# Allegro board 20210324_notecarrier-m2-al_v20.brd (continued)
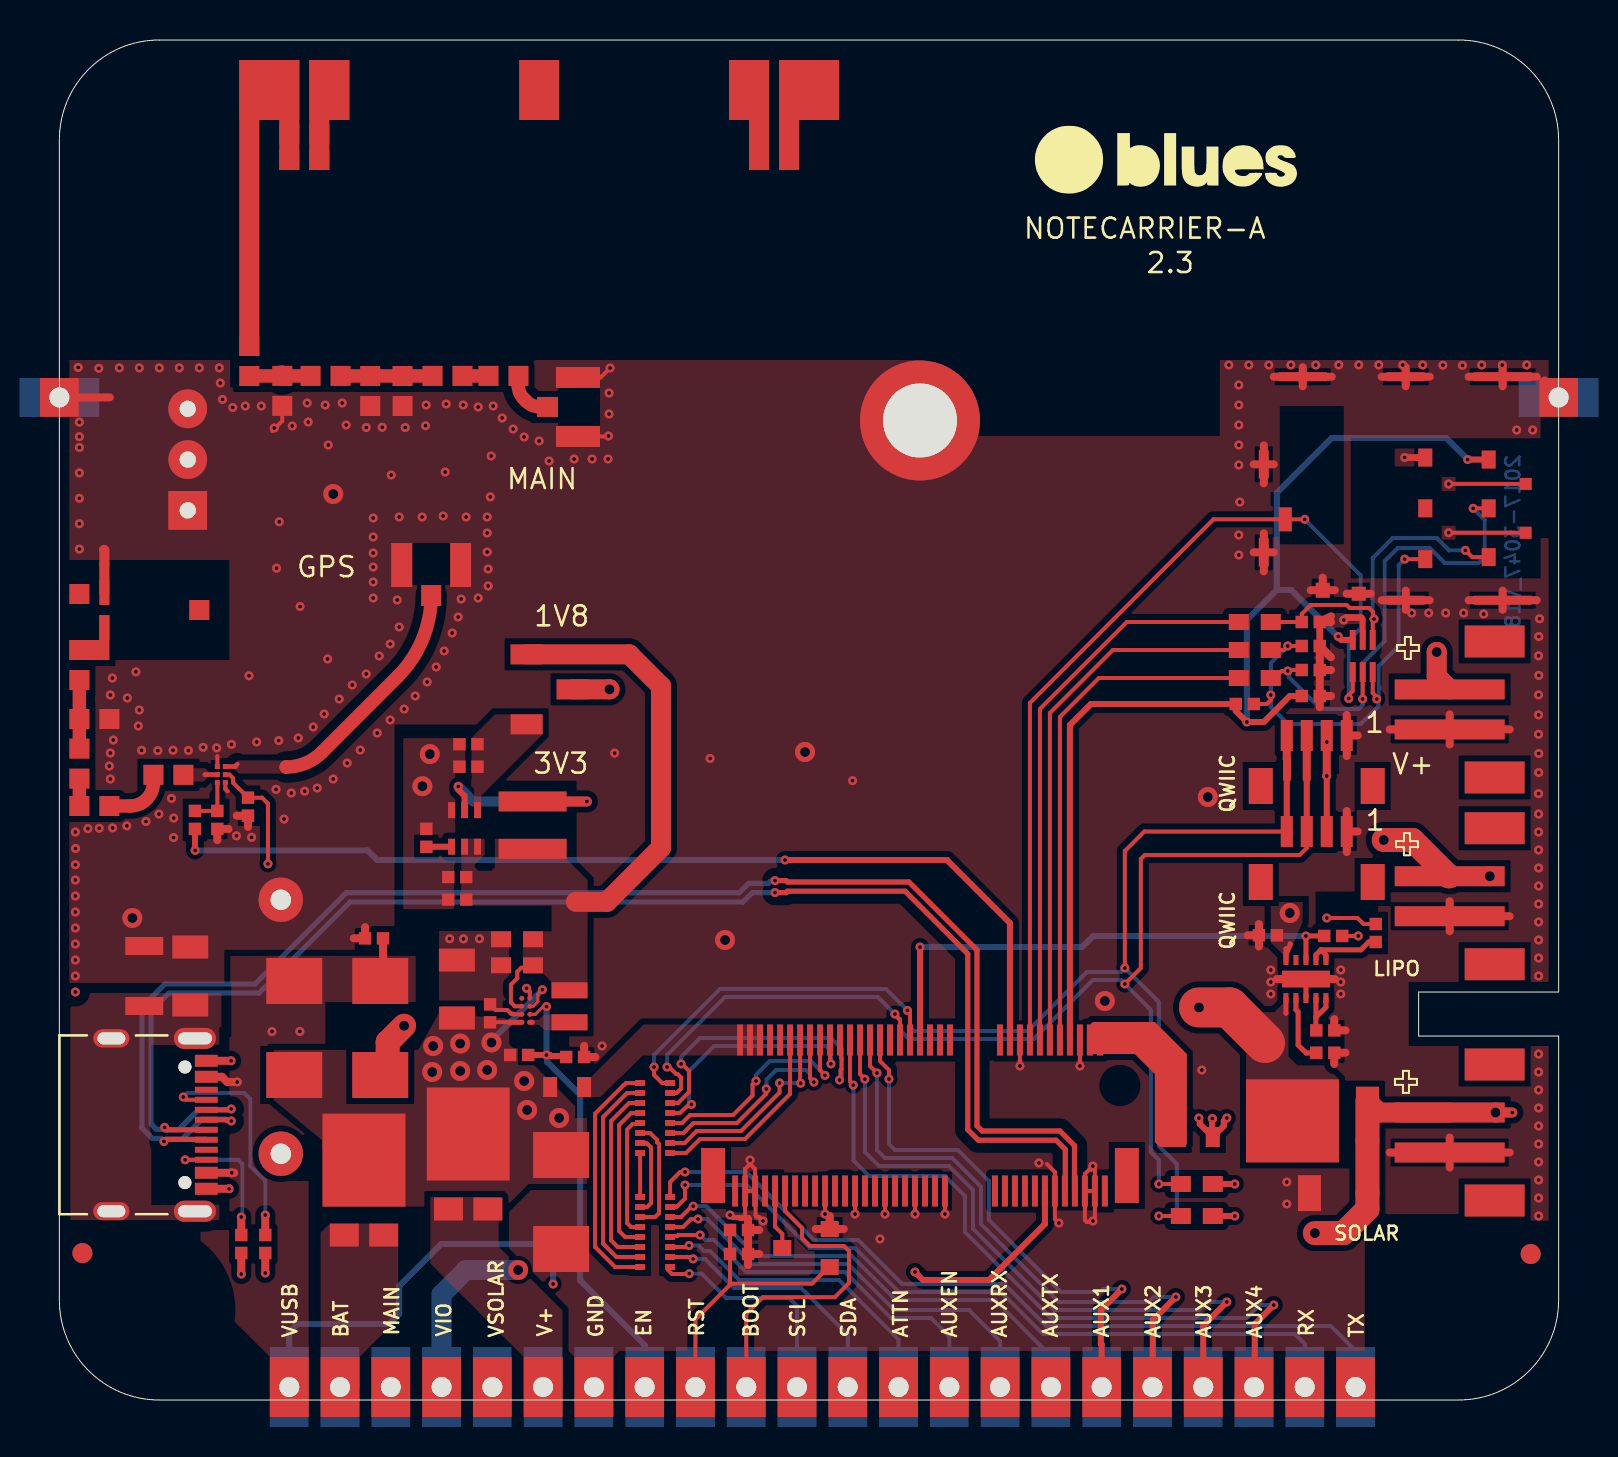
[diagram p0: board, top side]
## Library data of the parts
ANT1 = ANT - NN03-310 - LTE-GNSS-BL
ANT2 = ANT - NN03-320 - GPS-GLONASS-BT
BAT1 = PORTA BATTERIA 3xAA - 2464: room: 3xAA BATTERY
C1 = CS-C-1206-47u/16V-X5R: room: DC-DC 1V8
C2 = CS-C-0402-4.7u/6V3-X5R: room: DC-DC 1V8
C3 C4 = CS-C-0603-10u/10V-X5R: room: DC-DC 1V8
C5 = CS-C-0402-100n/16V: room: DC-DC 1V8
C6 C9 = CS-C-0402-100n/16V: room: DC-DC 3V3
C7 C8 = CS-C-0402-10u/6V3-X5R: room: DC-DC 3V3
C10 = CS-C-0402-100n/16V: room: USB
C11 = CS-C-1206-10n/1kV: room: USB
C12 = CS-C-1206-10u/25V-X5R: room: SOLAR BATTERY CHARGER
C13 = CS-C-0402-1u/16-X5R: room: SOLAR BATTERY CHARGER
C16 = CS-C-0402-100n/16V: room: NANO-SIM
C17-C19 = CS-C-0402-33p/50V-C0G: room: NANO-SIM
C21 = CS-C-0402-1n/50V
C22 = CS-C-0402-1u/16-X5R: room: GPS ANTENNA
C23 = CS-C-0402-100n/16V: room: M2 CONNECTOR
C25 = CS-C-0603-0.5p/50V-C0G
C26 = CS-C-0603-1p/50V-C0G
C27 = CS-C-0603-2.2p/50V-C0G
C28 = CS-C-0402-4.6p/50V-C0G
C29 = CS-C-0402-1.1p/50V-C0G
DS2 DS3 = SCHOTTKY - FSV1045V - 10A/45V: room: INPUT
DS4 = SCHOTTKY-STPS3H100U - 3A/100V: room: USB
DS5 = SCHOTTKY-STPS3H100U - 3A/100V: room: SOLAR BATTERY CHARGER
DS6 = SCHOTTKY - FSV1045V - 10A/45V: room: SOLAR BATTERY CHARGER
F1 = RAPIDO - SF-0603F150-2-1.5A/32V: room: M2 CONNECTOR
F2 = RAPIDO - 0603SFV350F- 3.5A/32V: room: M2 CONNECTOR
FID1-FID4 = FIDUCIAL
J3 J4 J12 = PH - J-2-0200-MDS-B2B-PH-SM4: room: SOLAR BATTERY CHARGER
J5 = NANOSIM - J-NANOSIM-SF72S006VBA: room: NANO-SIM
J6 = AMPHENOL-75 - M-2 KEY E_13: room: M2 CONNECTOR
J7 = UFL - U-FL-R-SMT-1-10: room: LTE ANTENNA
J8 = UFL - U-FL-R-SMT-1-10: room: GPS ANTENNA
J9 = STRIP-J-22-0254-FDT-H0508
J10 = STRIP-J-3-0254-FDT-H0508
J11 = USB-C - 12402012E212A
J13 J14 = SH - J-4-0100-MDS-SH-BM04B
L1 = PW-XFL4020-222ME - 2.2u/3.1A: room: DC-DC 3V3
L2 = L - 1285AS-H-2R2M=P2-2.2u/1.5A: room: DC-DC 1V8
L5 = L - LQW15AN7N5H00D - 7.5n/0.57A
L6 = L - LQW18AN12NG80D - 12n/1.5A
L7 = L - LQW18AN10NG80D - 10n/1.6A
L8 = L - LQW18AN8N4G80D - 8.4n/1.6A
L9 = L - LQW15AN2N3G80D - 2.3n/2.53A
OBJ1 = DISTANZIALE - M2.5x0250
PAD1 PAD2 = CASTELLATED PAD - 0100
Q1 = NMOS - AO3420 - 6A/20V: room: M2 CONNECTOR
R1 = RS-0402-10M/5%
R4 = RS-0402-82k: room: DC-DC 3V3
R5 = RS-1206-1M: room: USB
R6 R8 R10 = RS-0402-10k: room: SOLAR BATTERY CHARGER
R9 = RS-0402-470r: room: SOLAR BATTERY CHARGER
R12 R14 R15 = RS-0603-22r: room: NANO-SIM
R16 = RS-0402-15k: room: NANO-SIM
R18 = RS-0402-200k
R21 = RS-0402-1k: room: M2 CONNECTOR
R22 = RS-0402-100k: room: GPS ANTENNA
R25 R27-R29 = RS-0603-0r
R26 R30 R31 = RS-0603
R32 R33 = RS-0402-5.1k
RR1 RR2 = RR-8X-1506-100r/5%: room: M2 CONNECTOR
SW1 = SW-SPDT - CJS-1200TA: room: POWER SWITCH
TVS1 = TVS-UNI - SM6T6V8A - 6.8V/600W: room: INPUT
TVS2 = TVS-UNI5x - ESDLC5V0M5-TP - 5V: room: NANO-SIM
U1 = BUCK - TPS62748YFPT - 0.3A/ADJ: room: DC-DC 1V8
U2 = BOOST -  MAX17225ELT - 0.5A/ADJ: room: DC-DC 3V3
U3 = BAT-CHARGE - BQ24210DQCT: room: SOLAR BATTERY CHARGER
U5 = LNA-RF - BGA725L6E6327FTSA1: room: GPS ANTENNA

## Footprints (pads in the part's own frame, mm; a bottom-side part is the same pattern mirrored in y, then rotated)
AMPHENOL_12402012E212A
  round 0.65 hole 0.65 unplated: (-2.89,3.68) (2.89,3.68)
  rect 0.6x1.14 smd: A1_B12(-3.2,4.75) A4_B9(-2.4,4.75) B1_A12(3.2,4.75) B4_A9(2.4,4.75)
  rect 0.3x1.14 smd: A5(-1.25,4.75) A6(-0.25,4.75) A7(0.25,4.75) A8(1.25,4.75) B5(1.75,4.75) B6(0.75,4.75) B7(-0.75,4.75) B8(-1.75,4.75)
  oval 1.05x2.1 hole 0.6x1.7: S1(-4.32,4.18) S2(4.32,4.18)
  oval 0.9x1.8 hole 0.6x1.4: S3(-4.32,0) S4(4.32,0)
ANT-NN03310-LTE
  rect 1x3 smd: 1(-14.5,0) 2(-12.5,0) 6(12.5,0) 7(14.5,0)
  rect 2x3 smd: 3(-10.5,0) 4(0,0) 5(10.5,0)
ANT-NN03320-GPS
  rect 1x1 smd: 1(0,-3) 3(0.8,3)
  rect 1.25x0.5 smd: 2(0.875,1.75) 4(-0.875,1.75)
BATHLD-2464-NO_MECH
  round 2.22 hole 1.02: 1(26.405,-14.925) 2(26.405,-2.225)
CS-C-0402
  rect 0.62x0.62 smd: 1(-0.45,0) 2(0.45,0)
CS-C-0603
  rect 1x0.8 smd: 1(-0.8,0) 2(0.8,0)
CS-C-1206
  rect 1.15x1.8 smd: 1(-1.5,0) 2(1.4,0)
DIST-WASMSIM0250
  round 6 hole 3.7: 1(0,0)
FIDUCIAL
  round 1 smd: 1(0,0)
FRACTUS-0404
  rect 1x1 smd: 1(-0.75,0) 2(0.75,0)
FS-0603
  rect 0.7x1 smd: 1(-0.85,0) 2(0.85,0)
J-2-0200-MDS-B2B-PH-SM4
  rect 1.6x3 smd: (-5.4,2.25) (1.4,2.25)
  rect 1x5.5 smd: 1(-3,0) 2(-1,0)
J-3-0254-FDT-H0508
  rect 1.94x1.94 hole 0.81: 1(-2.54,0)
  round 1.94 hole 0.81: 2(0,0) 3(2.54,0)
J-3-MDS-UFL
  rect 1x1.05 smd: 1(0,-1.525)
  rect 1.05x2.2 smd: 2(-1.475,0) 3(1.475,0)
J-4-0100-MDS-SH
  rect 1.2x1.8 smd: (-1.3,2.525) (4.3,2.525)
  rect 0.6x1.55 smd: 1(0,0) 2(1,0) 3(2,0) 4(3,0)
J-22-0254-FDT-H0508_EDGE
  rect 1.94x3 hole 1: 1(-26.67,-0.65) 2(-24.13,-0.65) 3(-21.59,-0.65) 4(-19.05,-0.65) 5(-16.51,-0.65) 6(-13.97,-0.65) 7(-11.43,-0.65) 8(-8.89,-0.65) 9(-6.35,-0.65) 10(-3.81,-0.65) 11(-1.27,-0.65) 12(1.27,-0.65) 13(3.81,-0.65) 14(6.35,-0.65) 15(8.89,-0.65) 16(11.43,-0.65) 17(13.97,-0.65) 18(16.51,-0.65) 19(19.05,-0.65) 20(21.59,-0.65) 21(24.13,-0.65) 22(26.67,-0.65)
J-75-0050-MOS-M2-E
  rect 1.2x2.75 smd: (-10.35,4.5) (10.35,4.5)
  round 0 hole 1.1 unplated: (-10,0)
  round 0 hole 1.6 unplated: (10,0)
  rect 0.3x1.55 smd: 1(-9.25,5.275) 2(-9,-2.275) 3(-8.75,5.275) 4(-8.5,-2.275) 5(-8.25,5.275) 6(-8,-2.275) 7(-7.75,5.275) 8(-7.5,-2.275) 9(-7.25,5.275) 10(-7,-2.275) 11(-6.75,5.275) 12(-6.5,-2.275) 13(-6.25,5.275) 14(-6,-2.275) 15(-5.75,5.275) 16(-5.5,-2.275) 17(-5.25,5.275) 18(-5,-2.275) 19(-4.75,5.275) 20(-4.5,-2.275) 21(-4.25,5.275) 22(-4,-2.275) 23(-3.75,5.275) 32(-1.5,-2.275) 33(-1.25,5.275) 34(-1,-2.275) 35(-0.75,5.275) 36(-0.5,-2.275) 37(-0.25,5.275) 38(0,-2.275) 39(0.25,5.275) 40(0.5,-2.275) 41(0.75,5.275) 42(1,-2.275) 43(1.25,5.275) 44(1.5,-2.275) 45(1.75,5.275) 46(2,-2.275) 47(2.25,5.275) 48(2.5,-2.275) 49(2.75,5.275) 50(3,-2.275) 51(3.25,5.275) 52(3.5,-2.275) 53(3.75,5.275) 54(4,-2.275) 55(4.25,5.275) 56(4.5,-2.275) 57(4.75,5.275) 58(5,-2.275) 59(5.25,5.275) 60(5.5,-2.275) 61(5.75,5.275) 62(6,-2.275) 63(6.25,5.275) 64(6.5,-2.275) 65(6.75,5.275) 66(7,-2.275) 67(7.25,5.275) 68(7.5,-2.275) 69(7.75,5.275) 70(8,-2.275) 71(8.25,5.275) 72(8.5,-2.275) 73(8.75,5.275) 74(9,-2.275) 75(9.25,5.275)
J-NANOSIM-SF72S006VBA
  rect 0.9x0.7 smd: 1(2.99,-10.175) 2(0.55,-10.175) 3(-1.89,-10.175) 5(3.09,-7.005) 6(0.55,-7.005) 7(-1.99,-7.005)
  rect 0.45x2.9 smd: 8(-4.045,-10.875) 17(7.13,-10.875)
  rect 0.45x1.9 smd: 9(-4.045,-6.025) 16(7.13,-6.025)
  rect 0.7x0.7 smd: 10(-3.72,-3.675)
  rect 0.75x0.7 smd: 11(-3.545,-1.875)
  rect 1.4x0.5 smd: 12(-1.65,1.075) 14(2.75,1.075)
  rect 1.2x0.65 smd: 13(0,0)
  rect 0.45x2.4 smd: 15(7.13,-0.875)
  rect 0.6x0.6 smd: 18(1.77,-12.025) 19(-0.67,-12.025)
LS-0806
  rect 0.8x1.8 smd: 1(-0.8,0) 2(0.8,0)
LS-XFL4020
  rect 1x3.4 smd: 1(-1.185,0) 2(1.185,0)
PAD-THT-CAS-0100
  rect 1.94x1.94 hole 1: 1(0,0)
RR-8X-1506
  rect 0.3x0.5 smd: 1(-1.75,-0.75) 2(-1.25,-0.75) 3(-0.75,-0.75) 4(-0.25,-0.75) 5(0.25,-0.75) 6(0.75,-0.75) 7(1.25,-0.75) 8(1.75,-0.75) 9(1.75,0.75) 10(1.25,0.75) 11(0.75,0.75) 12(0.25,0.75) 13(-0.25,0.75) 14(-0.75,0.75) 15(-1.25,0.75) 16(-1.75,0.75)
RS-0402
  rect 0.62x0.62 smd: 1(-0.45,0) 2(0.45,0)
RS-0603
  rect 1x0.8 smd: 1(-0.8,0) 2(0.8,0)
RS-1206
  rect 0.9x1.9 smd: 1(-1.5,0) 2(1.5,0)
SMB
  rect 2.3x2.8 smd: 1(0,0) 2(4.7,0)
SOT23
  rect 0.9x0.8 smd: 1(0,0) 2(0,1.9) 3(-2.37,0.95)
SOT666
  rect 0.3x0.99 smd: 1(-0.5,-0.805) 2(0,-0.805) 3(0.5,-0.805) 4(0.5,0.805) 5(0,0.805) 6(-0.5,0.805)
SW-CJS1200TA
  rect 1x1.6 smd: 1(-1.75,-1.15) 2(0,1.15) 3(1.75,-1.15)
TO277-3
  rect 1.45x1.15 smd: 1(0.985,-2.75) 2(-0.985,-2.75)
  rect 4.15x4.65 smd: 3(0,1)
unnamed#2
  round 0 hole 3.3 unplated: (0,0)
WDFN6-0200X0200
  rect 0.8x0.35 smd: 1(-0.915,0.65) 2(-0.915,0) 3(-0.915,-0.65) 4(0.915,-0.65) 5(0.915,0) 6(0.915,0.65)
WSON10-EXP
  rect 0.5x0.25 smd: 1(-0.95,1) 2(-0.95,0.5) 3(-0.95,0) 4(-0.95,-0.5) 5(-0.95,-1) 6(0.95,-1) 7(0.95,-0.5) 8(0.95,0) 9(0.95,0.5) 10(0.95,1)
  rect 0.84x2.4 smd: 11(0,0)
XFBGA8
  round 0.25 smd: A1(0.2,-0.6) A2(-0.2,-0.6) B1(0.2,-0.2) B2(-0.2,-0.2) C1(0.2,0.2) C2(-0.2,0.2) D1(0.2,0.6) D2(-0.2,0.6)
XFDFN6
  rect 0.25x0.25 smd: 1(0.4,0.2) 2(0,0.2) 3(-0.4,0.2) 4(-0.4,-0.2) 5(0,-0.2) 6(0.4,-0.2)

## Nets
+1V8: C3.1 C4.1 C8.1 C9.1 L1.2 L2.2 SW1.1 U1.C2 U2.5 U2.6
+3V3: C6.1 C7.1 SW1.3 U2.1
GND: ANT2.2(M2) BAT1.2(-) C1.2 C2.2 C3.2 C4.2 C5.2 C6.2 C7.2 C8.2 C9.2 C10.2 C11.2 C12.2 C13.2 C16.2 C17.2 C18.2 C19.2 C22.2 C23.2 C26.2 C28.2 J3.2 J4.2 J5.5 J5.8 J5.9 J5.10 J5.11 J5.12 J5.14 J5.15 J5.16 J5.17 J5.18 J5.19 J6.3 J6.5 J6.6 J6.11 J6.18 J6.33 J6.39 J6.45 J6.51 J6.57 J6.71 J6.73 J7.2 J7.3 J8.2 J8.3 J9.7 J10.1 J10.2 J10.3 J11.A1_B12 J11.B1_A12 J12.2 J13.1 J14.1 L7.2 L8.2 OBJ1.1 PAD1.1 PAD2.1 Q1.2(S) R4.1 R5.2 R9.1 R10.1 R21.1 R22.1 R32.2 R33.2 TVS1.2 TVS2.2 U1.B2 U1.D1 U2.3 U3.3 U3.11 U5.1 U5.4
VBAT: BAT1.1 C13.1 DS3.1 DS3.2 J4.1 J9.2 R8.2 U3.10
ATTN: J9.13 RR1.3
ATTN_P: J6.54 RR2.14
AUX1: J6.46 J9.17
AUX2: J6.48 J9.18
AUX3: J6.50 J9.19
AUX4: J6.52 J9.20
AUX5: J6.38 R6.1 U3.8
AUX_EN: J9.14 RR1.4
AUX_EN_P: J6.56 RR2.13
AUX_RX: J9.15 RR1.5
AUX_RX_P: J6.58 RR2.12
AUX_TX: J9.16 RR1.6
AUX_TX_P: J6.60 RR2.11
BOOT: J6.65 J9.10
EN: C5.1 J9.8 R1.1 U1.B1
GPS_50: J8.1 U5.3
GPS_50_A: L5.1(C) U5.5
GPS_50_B: C21.1 L5.2
GPS_50_C: C21.2 R29.1
GPS_50_D: C28.1 C29.1 R29.2
GPS_50_E: ANT2.4 C29.2
LTE_50: J7.1 R28.1
LTE_50_A: R27.1 R28.2
LTE_50_B: C26.1 C27.2 L7.1(C) R27.2
LTE_50_C: C27.1 L8.1(C) L9.1(C)
LTE_50_D: ANT1.1 L9.2
NRST: J6.67 Q1.3
RST: C23.1 J9.9 Q1.1 R21.2
RX: J9.21 RR1.7
RX_P: J6.62 RR2.10
SCL: J9.11 RR1.1
SCL_P: J6.40 J13.4 J14.4 R31.1 RR2.16
SDA: J9.12 RR1.2
SDA_P: J6.42 J13.3 J14.3 R30.1 RR2.15
SIM_CLK: J6.14 R14.1
SIM_IO: J6.12 R12.1
SIM_NPRESENT: J5.13 J6.16 TVS2.4
SIM_RST: J6.10 R15.1
SIM_VCC: C16.1 J5.1 J6.8 R16.2 TVS2.3
TX: J9.22 RR1.8
TX_P: J6.64 RR2.9
USB_DM: J6.9 J11.A7 J11.B7
USB_DP: J6.7 J11.A6 J11.B6
USB_SHIELD: C11.1 J11.S1 J11.S2 J11.S3 J11.S4 R5.1
V+: DS2.1 DS2.2 J9.6 J12.1
VACT_GPS_OUT: J6.20 R18.2
VIO: C22.1 F1.1 J9.4 J13.2 J14.2 R6.2 R30.2 R31.2 SW1.2 U5.2(VCC)
VIO_P: F1.2 J6.2 J6.4
VMAIN: C1.1 C2.1 DS2.3(C) DS3.3(C) DS4.1(C) F2.1 J9.3 R1.2 TVS1.1(C) U1.A2 U1.C1(VSEL)
VMODEM_P: F2.2 J6.70 J6.72 J6.74
VSOLAR: C12.1 DS6.1 DS6.2 J3.1 J9.5
VUSB: C10.1 DS4.2 DS5.2 J6.13(VUSB) J9.1 J11.A4_B9 J11.B4_A9(VBUS#B4_A9)
N16816781: R18.1 R22.2 U5.6
N16924472: RR1.16 RR2.1
N16924474: RR1.15 RR2.2
N16924476: RR1.14 RR2.3
N16924478: RR1.13 RR2.4
N16924480: RR1.12 RR2.5
N16924482: RR1.11 RR2.6
N16924484: RR1.10 RR2.7
N16924486: RR1.9 RR2.8
N17096523: C19.1 J5.7 R12.2 R16.1 TVS2.6(C6)
N17096527: C17.1 J5.2 R15.2 TVS2.5
N17096550: C18.1 J5.3 R14.2 TVS2.1
N17180171: L1.1 U2.2
N17180221: L2.1(C) U1.A1
N17180308: R4.2 U2.4(SEL)
N17224639: DS5.1(C) DS6.3(C) U3.1
N17224757: R9.2 U3.2
N17224773: R10.2 U3.4(VTSB) U3.5
N17224777: R8.1 U3.6 U3.7
N17281739: ANT1.2 C25.2 L6.1(C)
N17281748: ANT1.3 C25.1 L6.2
N17281883: ANT1.5 R25.1 R26.1
N17281892: ANT1.6 R25.2 R26.2
N17321884: J11.A5 R33.1
N17321887: J11.B5 R32.1

Pads without a net: ANT1 4 7; ANT2 1 3; FID1 1; FID2 1; FID3 1; FID4 1; J5 6; J6 1 15 17 19 21 22 23 32 34 35 36 37 41 43 44 47 49 53 55 59 61 63 66 68 69 75; J11 A8 B8; U1 D2; U3 9

## Via types
v1: diameter 0.45, hole 0.2, TOP to BOTTOM, 327 vias
v2: diameter 1, hole 0.5, TOP to BOTTOM, 27 vias

## Routing (per net, layer and track width the routed paths; a pad name or vN(x,y) marks a point on that pad's centre or on a via; arc(x,y) is an arc through that point)
+1V8: length 24
  TOP w0.2: C3.1 23.57,21.61 23.11,21.61 22.91,21.41 22.91,21.08 22.59,20.77 22.59,19.88 22.78,19.69 U1.C2
  TOP w1: 25.84,24.91 27.39,24.91 30.09,27.61 30.09,35.7 28.51,37.28 SW1.1
GND: length 153.7
  TOP w0.2: v1(23.37,20.59) 23.53,20.42 U1.D1 ; 51.65,9.05 51.7,9 v1(51.7,8.95) ; 7.9,32.2 U5.4 ; C2.2 21.83,19.5 22.4,19.5 22.59,19.32 22.68,19.32 22.72,19.29 U1.B2 ; J6.5 51.3,11.3 51.53,11.53 51.63,11.53 51.7,11.6 v1(51.7,11.7) 51.8,11.6 J6.3 ; J6.5 51.3,9 51.4,8.9 51.8,8.9 J6.3 ; J6.5 J6.3 ; v1(50,8.85) 49.8,9.05 J6.11 49.8,11.4 49.4,11.8 ; 34.3,9.15 33.65,9.15 ; 33.65,9.15 v1(33.55,9.25) ; 33.65,9.15 33.69,9.11 33.98,9.11 34.04,9.05 34.45,9.05 34.3,9.2 J6.73 ; J5.18 69.5,45.8 v1(69.5,45.8) 69.65,45.8 ; J6.6 v1(51.05,16.7) ; 10.65,48.45 11.15,48.95 L8.2 ; J7.3 27.38,48.18 27.4,48.2 v1(27.47,48.2) ; J6.39 v1(42.8,9.3) ; J6.57 v1(38.3,9.3) ; J6.71 34.8,11.55 34.55,11.8 ; J6.71 34.83,10.43 34.83,9.23 34.91,9.15 35,9.15 v1(35.2,8.95) ; J6.71 J6.73 ; J7.2 27.08,51.13 v1(27.55,51.6) ; J6.51 v1(39.8,9.3) ; J6.33 v1(44.3,9.3) ; J6.18 v1(48.05,16.7) ; J6.73 34.3,11.55 34.55,11.8 ; 34.55,11.8 v1(34.55,12) ; J6.45 v1(41.3,9.3) ; U5.1 8.3,30.55 8.42,30.43 ; v1(69.5,43.36) J5.19
  TOP w0.25: U3.3 U3.11
  TOP w0.28: TVS2.2 65.2,39.04 65.12,39.12
  TOP w0.34: v1(64.25,39) 64.37,39.12 65.12,39.12 ; C18.2 C19.2 ; J5.5 v1(67.3,47.12)
  TOP w0.4: 60.01,22.67 C13.2 ; C13.2 59.45,23.24 ; C13.2 60.01,23.8 ; 64.34,18.48 R10.1 63.78,19.04 ; 69.55,32.78 J12.2 ; J12.2 69.55,34.28 ; J12.2 72.55,33.53 ; J12.2 66.55,33.53 ; J5.15 63.65,51.16 ; J5.15 60.75,51.16 ; J5.15 62.2,51.64 ; J5.15 62.2,50.69 ; 69.55,23.44 J4.2 ; J4.2 72.55,24.19 ; J4.2 69.55,24.94 ; 70.5,39.99 J5.8 ; J5.8 72.2,40.47 ; J5.8 72.2,39.51 ; J5.8 73.9,39.99 ; 37.83,8.55 Q1.2 ; Q1.2 38.53,9.2 ; Q1.2 39.24,8.55 ; C17.2 63.05,37.06 ; C17.2 63.05,35.94 ; C17.2 63.61,36.5 ; 65.6,40.31 J5.10 64.4,40.31 ; C16.2 63.05,35.76 ; C16.2 63.05,34.64 ; C16.2 63.61,35.2 ; J5.14 60.75,46.78 ; J5.14 60.25,47.74 ; J5.14 59.75,46.78 ; J5.14 60.25,45.83 ; C23.2 35.01,8.5 ; C23.2 34.45,9.06 ; C23.2 34.45,7.94 ; R33.2 v1(10.3,6.35) ; J3.2 69.55,13.13 ; J3.2 72.55,12.37 ; J3.2 66.55,12.37 ; J3.2 69.55,11.62 ; J5.16 67.35,51.64 ; J5.16 67.35,50.69 ; J5.16 68.55,51.16 ; J5.16 66.15,51.16 ; J5.17 72.2,51.64 ; J5.17 72.2,50.69 ; J5.17 73.9,51.16 ; J5.17 70.5,51.16 ; 63.78,16.8 R9.1 64.34,17.36 ; 15.29,23.64 C10.2 14.73,23.08 ; 62.6,40.49 J5.11 ; J5.11 63.8,40.49 ; J5.11 63.2,41.12 ; 59.75,42.38 J5.12 ; J5.12 60.25,41.43 ; J5.12 60.25,43.34 ; J5.12 60.75,42.38 ; J5.9 67.35,40.47 ; J5.9 67.35,39.51 ; J5.9 68.55,39.99 ; J5.9 66.15,39.99 ; R21.1 35.01,7.3 ; R21.1 34.45,7.86 ; R21.1 34.45,6.74 ; 63.61,39.18 C18.2 63.61,38.9 ; PAD1.1 74.69,50.13 74.29,50.53 74.29,50.84 74.3,50.86 74.3,50.98 ; 63.81,21.05 U3.11 60.91,21.05 ; 9.44,28.65 C22.2 8.88,29.21 ; 2.26,41.79 2.25,41.78 ; 2.52,50.13 PAD2.1 ; J13.1 64.95,28.43 ; J13.1 64.4,29.45 ; J13.1 64.4,27.4 ; J14.1 64.95,33.23 ; J14.1 64.4,34.25 ; J14.1 64.4,32.2 ; 26.81,17.15 C5.2 26.25,17.71 ; 63.05,37.14 C19.2 63.61,37.14 ; J11.A1_B12 v1(8.59,16.96) ; 7.9,27.99 R22.1 8.46,28.55 ; R32.2 v1(9.1,6.3) ; J11.B1_A12 v1(8.49,10.56)
  TOP w0.5: 2.23,42.51 2.25,42.49 ANT2.2
  GND w2: v2(37.3,32.4) 43.05,38.15 OBJ1.1
  BOTTOM w0.2: v1(35.2,8.95) 35.06,9.09 34.85,9.09 34.85,9.26 34.8,9.31
  vias: v1(0.8,28.4) v1(0.81,27.58) v1(0.8,26.76) v1(0.8,26) v1(0.8,25.2) v1(0.8,24.4) v1(0.8,23.6) v1(0.8,22.8) v1(0.8,22) v1(0.8,21.2) v1(0.8,20.4) v1(0.94,51.63) v1(1,48.9) v1(1,48.16) v1(1,47.62) v1(1,46.35) v1(1,45.09) v1(1,43.81) v1(1,42.55) v1(1.43,28.57) v1(1.97,51.59) v1(1.99,28.59) v1(2.55,35.25) v1(2.55,32.35) v1(2.5,31.7) v1(2.55,31.05) v1(2.65,36.1) v1(2.7,33) v1(2.66,28.6) v1(3,51.6) v1(3.4,35.1) v1(3.37,28.71) v1(3.83,36.41) v1(4,51.6) v1(4,34.5) v1(3.95,33.7) v1(4.11,32.49) v1(4.33,28.92) v1(4.93,32.47) v1(5,51.6) v1(4.98,29.3) v1(5.61,30.08) v1(5.68,32.49) v1(5.72,29.1) v1(5.71,28.12) v1(6,51.6) v1(6.45,32.48) v1(7,51.6) v1(7.19,32.63) v1(7.87,32.61) v1(8,51.6) v1(8.05,50.85) v1(8.16,50.03) v1(8.61,32.78) v1(8.67,49.63) v1(8.86,28.21) v1(9.3,49.7) v1(9.49,36.21) v1(9.61,28.14) v1(9.87,32.9) v1(10.1,49.7) v1(10.75,48.6) v1(10.84,30.53) v1(10.87,41.59) v1(11,43.91) v1(10.97,32.97) v1(11.24,29.05) v1(11.65,48.7) v1(11.6,30.35) v1(12.04,39.68) v1(11.95,33.1) v1(12.27,30.44) v1(12.4,49.85) v1(12.45,48.9) v1(12.7,33.65) v1(12.9,30.6) v1(13.25,34.3) v1(13.3,49.75) v1(13.42,37.05) v1(13.45,47.75) v1(13.7,31.05) v1(14,35.05) v1(14.15,49.85) v1(14.35,48.75) v1(14.4,31.85) v1(14.65,35.75) v1(15.05,32.5) v1(15.35,48.63) v1(15.35,36.3) v1(15.7,44.1) v1(15.7,43.15) v1(15.7,42.35) v1(15.7,41.65) v1(15.7,40.9) v1(15.7,40.1) v1(15.9,33.35) v1(16,37.2) v1(16.15,48.64) v1(16.55,37.8) v1(16.55,34) v1(16.6,46.25) v1(16.9,40) v1(17,44.15) v1(17,38.65) v1(17.25,34.55) v1(17.3,48.63) v1(17.8,35.2) v1(18.15,44.15) v1(18.32,48.71) v1(18.35,49.75) v1(18.4,35.9) v1(18.85,36.65) v1(19.2,44.2) v1(19.25,37.45) v1(19.3,46.4) v1(19.35,49.8) v1(19.52,23.06) v1(19.65,38.35) v1(19.95,39.15) v1(20.1,40.05) v1(20.2,49.75) v1(20.21,23.06) v1(20.35,44.15) v1(20.95,49.65) v1(20.95,40.1) v1(21.01,23.06) v1(21.4,44.15) v1(21.4,43.35) v1(21.4,42.4) v1(21.45,41.55) v1(21.45,40.7) v1(21.6,47.2) v1(21.56,45.16) v1(21.7,49.7) v1(22.15,49.1) v1(22.7,48.55) v1(23.25,48.15) v1(24,47.95) v1(24.5,46.95) v1(25.75,47.05) v1(26.65,47.05) v1(27.15,17.7) v1(27.5,50.35) v1(27.5,49.3) v1(27.45,47.05) v1(27.78,32.35) v1(32.55,32.08) v1(39.68,30.97) v1(41.05,8.05) v1(49,11.85) v1(57.15,16.5) v1(58.5,51.75) v1(59,50.75) v1(59,49.75) v1(59,48.75) v1(59,47.75) v1(59,46.75) v1(59,43.25) v1(59,42.25) v1(59.05,44.9) v1(59.5,51.75) v1(60.5,51.75) v1(60.6,21.5) v1(60.6,20.9) v1(60.6,20.3) v1(61.4,10.9) v1(61.4,9.8) v1(61.6,51.75) v1(62.85,51.75) v1(64,51.76) v1(64.1,21.5) v1(64.1,20.9) v1(64.1,20.3) v1(65,51.76) v1(66,51.76) v1(67.2,51.75) v1(67.65,39.35) v1(68.2,51.75) v1(68.5,39.35) v1(69.21,51.74) v1(69.35,39.35) v1(70.19,51.73) v1(70.25,39.35) v1(71.15,51.75) v1(71.25,39.3) v1(72.18,51.75) v1(72.9,48.5) v1(73.4,51.75) v1(73.7,48.5) v1(74.05,39.06) v1(74.01,38.17) v1(74,37.21) v1(74.01,36.23) v1(74,35.25) v1(74,34.26) v1(73.99,33.29) v1(74.01,32.32) v1(74.01,31.37) v1(73.99,30.32) v1(74,29.3) v1(74,28.4) v1(74,27.5) v1(74,26.6) v1(74,25.7) v1(74,24.8) v1(74,23.9) v1(74,23) v1(74,22.1) v1(74,21.2) v1(74,17.3) v1(74,16.4) v1(74,15.5) v1(74,14.6) v1(74,13.7) v1(74,12.8) v1(74,11.9) v1(74,11) v1(74,10.1) v1(74,9.2) v2(3.65,24.1) v2(13.7,45.3) v2(18.16,30.69) v2(18.53,32.3) v2(33.3,23) v2(52.3,19.95) v2(57.45,30.15)
VBAT: length 26.7
  TOP w0.2: v1(63.4,24.1) 64.94,24.1 65.24,23.8 R8.2
  TOP w0.25: 61.36,22.55 61.36,22.55 61.36,22.34 ; 61.57,22.81 61.58,22.78 61.39,22.36 61.36,22.34 ; U3.10 61.36,22.34
  TOP w1.2: v2(66.25,28) 67.69,28 69.5,26.19 J4.1
  POWER w1.7: BAT1.1 14.04,9.35 J9.2
  BOTTOM w0.4: v2(66.25,28) 68.1,28 69.91,26.19 v2(71.56,26.19)
  vias: v2(61.55,24.35)
ATTN: length 15.8
  TOP w0.2: v1(31.5,7.72) 31.5,7.75 31.4,7.65 RR1.3
  BOTTOM w0.2: v1(31.5,7.72) 31.98,7.72 32.25,7.45 32.55,7.45 34,6 39,6 41.98,3.02 J9.13
ATTN_P: length 15.5
  TOP w0.2: v1(39.03,16) 39.08,16 39.08,16.48 39.12,16.53 39.12,17.08 39.1,17.1 39.1,17.95 J6.54 ; v1(31.1,16.81) 31.14,16.81 31.5,16.45 31.5,15.4 30.95,14.85 RR2.14
  BOTTOM w0.2: v1(39.03,16) 39.15,16.12 39.15,17.55 38.6,18.1 32.05,18.1 31.1,17.15 v1(31.1,16.81)
AUX1: length 26.7
  TOP w0.2: v1(41.5,16.05) 41.5,16.5 41.05,16.95 J6.46
  TOP w0.3: v1(53.15,5.55) 52.1,4.5 52.1,2.82 52.14,2.78 J9.17
  BOTTOM w0.2: v1(53.15,5.55) 52.23,5.55 52.08,5.4 50.1,5.4 46.5,9 46.5,10.95 44.95,12.5 41.8,12.5 41.5,12.8 v1(41.5,16.05)
AUX2: length 29.9
  TOP w0.2: J6.48 40.55,16.7 v1(40.9,16.35)
  TOP w0.3: v1(55.85,5.15) 54.7,4 54.7,0.67 J9.18
  BOTTOM w0.2: v1(40.9,16.35) 40.9,12.5 41.3,12.1 44.67,12.1 46.1,10.67 46.1,8.8 50,4.9 54.5,4.9 54.75,5.15 v1(55.85,5.15)
AUX3: length 33.1
  TOP w0.2: J6.50 40.05,16.3 40.3,16.05 40.3,16.04 v1(40.29,16.04)
  TOP w0.3: J9.19 57.22,3.72 v1(58.4,4.9)
  BOTTOM w0.2: v1(40.29,16.04) 40.3,16.04 40.3,12.4 41,11.7 44.5,11.7 45.7,10.5 45.7,8.57 49.77,4.5 57,4.5 57.4,4.9 v1(58.4,4.9)
AUX4: length 36.2
  TOP w0.2: J6.52 39.55,15.92 39.73,15.75 39.73,15.74 v1(39.72,15.74)
  TOP w0.3: J9.20 59.8,0.69 59.8,3.8 v1(60.75,4.75)
  BOTTOM w0.2: v1(39.72,15.74) 39.73,15.74 39.73,11.97 40.5,11.2 44.3,11.2 45.3,10.2 45.3,8.4 49.6,4.1 59.4,4.1 60.05,4.75 v1(60.75,4.75)
AUX5: length 26.3
  TOP w0.25: U3.8 62.36,23.16 62.36,23.16 v1(62.36,23.2) 62.36,23.2 R6.1
  TOP w0.3: J6.38 v1(43.05,22.65)
  BOTTOM w0.3: v1(62.36,23.2) 51.72,23.2 51.16,22.65 v1(43.05,22.65)
AUX_EN: length 18.7
  TOP w0.2: 30.45,8.15 RR1.4 30.6,8.2 30.92,8.2 30.97,8.25 v1(32.05,8.25)
  TOP w0.3: 44.52,0.65 J9.14
  BOTTOM w0.2: v1(32.05,8.25) 32.3,8 32.75,8 34.35,6.4 39.3,6.4 41.6,4.1 43.6,4.1 44.52,3.18 J9.14
AUX_EN_P: length 12.8
  TOP w0.2: v1(38.6,16.81) 38.59,16.81 38.59,16.79 38.7,16.79 38.7,16.85 38.55,17 J6.56 ; RR2.13 31.03,14.35 31.48,14.75 31.54,14.75 31.6,14.8 31.6,14.78 v1(31.62,14.78)
  BOTTOM w0.2: v1(31.62,14.78) 31.6,14.78 31.6,14.8 31.5,14.9 31.5,16.45 32.75,17.7 38.35,17.7 38.6,17.45 v1(38.6,16.81)
AUX_RX: length 21.6
  TOP w0.2: v1(31.95,9.05) 31.6,9.05 31.2,8.65 RR1.5 30.45,8.65
  TOP w0.3: 47.06,0.65 J9.15
  BOTTOM w0.2: J9.15 47.06,2.94 45.5,4.5 41.77,4.5 39.47,6.8 34.65,6.8 32.4,9.05 v1(31.95,9.05)
AUX_RX_P: length 11.7
  TOP w0.2: RR2.12 31.15,13.85 31.55,14.25 33.7,14.25 34.67,15.22 34.67,15.78 v1(34.85,15.95) ; v1(38.3,16.23) 38.3,16.23 38.3,16.24 38.3,16.24 38.05,16.49 J6.58
  BOTTOM w0.2: v1(38.3,16.23) 38.3,16.23 38.3,16.24 38.3,16.24 37.59,16.95 35.54,16.95 34.85,16.26 v1(34.85,15.95)
AUX_TX: length 24.1
  TOP w0.2: v1(31.71,9.69) 31.74,9.69 31.69,9.74 31.1,9.15 RR1.6 30.45,9.15
  TOP w0.3: 49.6,0.65 J9.16
  BOTTOM w0.2: J9.16 49.6,2.2 46.8,5 41.83,5 39.63,7.2 34.86,7.2 32.37,9.69 v1(31.71,9.69)
AUX_TX_P: length 11.5
  TOP w0.2: RR2.11 31.22,13.35 31.72,13.85 33.9,13.85 35.36,15.31 v1(35.36,15.55) ; v1(37.74,15.89) 37.75,15.89 37.75,15.9 37.55,16.1 J6.60
  BOTTOM w0.2: v1(37.74,15.89) 37.75,15.89 37.75,15.9 37.55,16.1 37.55,16.3 37.35,16.5 35.85,16.5 35.38,16.02 35.38,15.73 35.36,15.72 v1(35.36,15.55)
BOOT: length 16.4
  TOP w0.2: J6.65 36.3,9.45 37.15,8.6 37.15,8.1 37.55,7.7 39.25,7.7 39.5,7.45 39.5,5.85 38.79,5.14 35.19,5.14 34.36,4.31 J9.10
EN: length 24
  TOP w0.15: v1(24.37,19.67) 24.2,19.67 23.81,19.29 U1.B1
  TOP w0.3: R1.1 v1(24.37,17.25) 24.55,17.25 24.6,17.2 25.3,17.2 C5.1
  BOTTOM w0.3: 24.4,17.25 v1(24.37,17.25) ; 24.4,17.25 24.37,17.28 v1(24.37,19.67) ; 24.4,17.25 24.4,16.9 26.05,15.25 26.05,5.98 29.28,2.75 J9.8
GPS_50: length 12.5
  TOP w0.23: 8.78,31.67 U5.3 ; 8.78,31.67 8.9,31.79 ; 8.78,31.67 8.81,31.67
  TOP w0.67: J8.1 arc(18.16,38.03) 16.92,36.17 13.14,32.39 arc(12.32,31.84) 11.35,31.65
GPS_50_A: length 0.6
  TOP w0.23: U5.5 7.29,31.27 7.28,31.26
GPS_50_B: length 3.3
  TOP w0.67: C21.1 3.54,29.7 arc(4.36,30.04) 4.7,30.87 L5.2
GPS_50_C: length 1.4
  TOP w0.67: R29.1 1,31.06 C21.2
GPS_50_D: length 3.4
  TOP w0.67: R29.2 C28.1 1,34.2 C29.1
LTE_50: length 2.5
  TOP w0.67: J7.1 24.06,49.65 arc(23.68,49.73) 23.35,49.95 23.24,50.05 arc(23.03,50.38) 22.95,50.76 22.95,51.19 R28.1
LTE_50_A: length 1.3
  TOP w0.67: R27.1 R28.2
LTE_50_B: length 4.6
  TOP w0.67: C27.2 14.07,51.2 C26.1 L7.1 18.66,51.2 R27.2
LTE_50_C: length 3.1
  TOP w0.67: C27.1 L8.1 9.51,51.21 L9.1
  TOP w1: 11.12,51.23 L8.1
NRST: length 3
  TOP w0.2: Q1.3 36.16,8.3 35.8,8.66 J6.67
RST: length 13.9
  TOP w0.2: 33.6,5.82 37.65,5.82 38.48,6.65 Q1.1 ; 33.6,5.82 31.82,4.04 J9.9 ; 33.6,5.82 33.55,5.87 R21.2 C23.1
RX: length 38.1
  TOP w0.2: 30.45,9.65 RR1.7 30.85,9.65 30.9,9.7 30.92,9.7 31.3,10.08 v1(31.3,10.75)
  TOP w0.3: 62.3,0.65 J9.21
  BOTTOM w0.2: v1(31.3,10.75) 34.38,10.75 37.53,7.6 39.8,7.6 42,5.4 47.1,5.4 49.2,3.3 61.8,3.3 62.3,2.8 J9.21
RX_P: length 10.3
  TOP w0.2: v1(37.08,15.84) 37.1,15.84 37.1,15.85 37.05,15.9 J6.62 ; v1(36.03,15.85) 36.03,15.38 34.1,13.45 31.88,13.45 31.28,12.85 RR2.10
  BOTTOM w0.2: v1(36.03,15.85) 37.1,15.85 37.1,15.84 v1(37.08,15.84)
SCL: length 11.5
  TOP w0.2: RR1.1 30.45,6.65 30.45,6.5 30.65,6.3 31.5,6.3 31.52,6.32 v1(31.51,6.32)
  TOP w0.3: 36.91,0.66 J9.11
  BOTTOM w0.2: v1(31.51,6.32) 32.13,6.32 33.35,5.1 36.5,5.1 36.9,4.7 J9.11
SCL_P: length 65.5
  TOP w0.2: R31.1 v1(55,9.2) ; J6.40 42.55,19.35 v1(42.43,19.48) ; v1(53.3,21.6) 53.3,27.45 54.27,28.43 J13.4 ; v1(29.75,16.65) 29.75,16.25 30.15,15.85 RR2.16
  TOP w0.3: J13.4 61.4,31.05 61.41,31.06
  TOP w0.4: J14.4 61.4,32.05 61.41,32.04 61.41,31.06
  BOTTOM w0.2: v1(55,9.2) 55.7,9.2 55.9,9.4 55.9,11.8 55,12.7 55,19.9 v1(53.3,21.6) 53.1,21.4 51.4,21.4 48.45,18.45 42.75,18.45 42.55,18.65 42.55,19.07 42.55,19.07 42.55,19.35 v1(42.43,19.48) 41.35,20.55 33.05,20.55 29.75,17.25 v1(29.75,16.65)
SDA: length 13.1
  TOP w0.2: RR1.2 31.61,7.15 v1(31.71,7.06)
  BOTTOM w0.2: J9.12 39.44,3.26 37.1,5.6 33.75,5.6 32.3,7.05 32.08,7.05 32.08,7.06 v1(31.71,7.06)
SDA_P: length 63.2
  TOP w0.2: RR2.15 30.87,15.35 31.1,15.58 31.1,16.12 30.92,16.3 30.85,16.3 30.5,16.65 v1(30.4,16.65) ; J6.42 42.05,19 41.8,19.26 v1(41.8,19.3) ; v1(53.3,20.8) 54.1,21.6 54.1,27.05 54.3,27.25 62.05,27.25 62.4,27.6 J13.3 ; R30.1 v1(55,10.8)
  TOP w0.3: J13.3 62.4,31.05
  TOP w0.4: 62.4,31.05 J14.3
  BOTTOM w0.2: v1(30.4,16.65) 30.4,17.25 33.3,20.15 40.94,20.15 v1(41.8,19.3) 42.05,19.04 42.05,18.5 42.5,18.05 48.75,18.05 51.7,21 53.1,21 v1(53.3,20.8) 54.6,19.5 54.6,12.4 55,12 v1(55,10.8)
SIM_CLK: length 28.3
  TOP w0.2: R14.1 53.4,38.9 49.05,34.55 J6.14
SIM_IO: length 27.1
  TOP w0.2: R12.1 52.7,37.5 49.55,34.35 J6.12
SIM_NPRESENT: length 46.2
  TOP w0.2: TVS2.4 64.7,35.45 64.5,35.25 v1(64.5,35.08) ; v1(62.3,44.03) J5.13 57.73,44.03 48.55,34.85 J6.16
  BOTTOM w0.2: v1(62.3,44.03) 65.1,41.23 65.1,38.6 64.5,38 v1(64.5,35.08)
SIM_RST: length 25.9
  TOP w0.2: R15.1 52,36.1 50.05,34.15 J6.10
SIM_VCC: length 58
  TOP w0.3: v1(70.45,47.02) J5.1 ; TVS2.3 64.12,38.01 63.98,38.15 v1(63.98,38.18) ; C16.1 61.55,35.2 60.25,33.9 v1(59.4,33.9) 58.85,34.45 R16.2 51.6,34.8 50.55,33.75 J6.8
  BOTTOM w0.3: 60.9,40.5 60.9,45.35 63.65,48.1 69.37,48.1 v1(70.45,47.02) ; 60.9,40.5 61.63,40.5 63.95,38.18 v1(63.98,38.18) ; 60.9,40.5 59.4,39 v1(59.4,33.9)
TX: length 40.9
  TOP w0.2: v1(31.3,11.4) 31.05,11.4 30.55,10.9 RR1.8 30.45,10.15
  BOTTOM w0.2: J9.22 64.84,2.46 63.6,3.7 49.37,3.7 47.27,5.8 42.16,5.8 39.96,8 37.75,8 36.17,9.57 36.17,9.58 35.63,10.12 35.62,10.12 34.35,11.4 v1(31.3,11.4)
TX_P: length 9.9
  TOP w0.2: RR2.9 31.35,12.35 32.05,13.05 34.3,13.05 36.55,15.3 J6.64
USB_DM: length 74.6
  TOP w0.26: J6.9 50.3,10.46 50.32,10.48 50.32,12.53 49.86,12.99 45.97,12.99 45.44,13.52 45.44,22.31 42.31,25.44 36.42,25.44 36.35,25.37 v1(35.8,25.37) ; J11.B7 8.56,14.51 v1(8.6,14.55) ; v1(5.27,13.63) 5.39,13.51 J11.A7
  BOTTOM w0.26: 5.27,13.58 5.23,13.54 4.85,13.54 4.59,13.8 4.59,19.46 5.47,20.34 9.99,20.34 14.54,24.9 34.2,24.9 34.67,25.37 v1(35.8,25.37) ; 5.27,13.58 5.27,13.5 5.95,13.5 6.95,14.51 8.56,14.51 v1(8.6,14.55) ; 5.27,13.58 v1(5.27,13.63)
USB_DP: length 76.9
  TOP w0.26: J11.B6 7.33,13.03 5.33,13.03 v1(5.23,12.93) ; J11.A6 8.35,14.01 8.37,13.99 8.56,13.99 v1(8.6,13.95) ; J6.7 50.78,10.47 50.78,12.72 50.05,13.45 46.16,13.45 45.9,13.71 45.9,22.5 42.5,25.9 36.42,25.9 36.35,25.97 v1(35.8,25.97)
  BOTTOM w0.26: v1(8.6,13.95) 8.56,13.99 8.37,13.99 8.32,14.04 7.15,14.04 6.14,13.04 5.34,13.04 v1(5.23,12.93) 5.08,13.08 4.66,13.08 4.13,13.61 4.13,19.65 5.28,20.8 9.8,20.8 14.35,25.36 34.01,25.36 34.48,25.83 35.48,25.83 35.57,25.93 35.59,25.93 35.64,25.97 v1(35.8,25.97)
V+: length 84.6
  TOP w1: v2(68.9,37.4) 68.9,36.18 J12.1
  POWER w1.2: J9.6 24.2,2.33 25.07,3.2 62,3.2 66.8,8 66.8,21.1 67.8,22.1 71.6,22.1 72.9,23.4 72.9,31.65 68.9,35.65 v2(68.9,37.4)
VACT_GPS_OUT: length 49.2
  TOP w0.3: v1(6.79,27.48) 6.78,27.49 R18.2 ; v1(36.3,27) 44.4,27 47.55,23.85 J6.20
  BOTTOM w0.3: v1(6.79,27.48) 15.42,27.48 15.9,27 v1(36.3,27)
VIO: length 28
  TOP w0.2: v1(10.43,26.81) 10.43,29.82 10.14,30.11 C22.1 8.69,30.86 8.69,31.07 8.68,31.08 8.68,31.1 8.51,31.27 U5.2 ; R6.2 v1(64.98,23.2)
  TOP w0.3: v1(57.67,14.07) 57.75,14.07 57.75,14.05 57.67,13.97 57.67,13.18 ; R30.2 v1(58.8,10.8) ; J13.2 v1(63.4,31.2) ; R31.2 v1(58.8,9.2) ; 57.67,13.18 F1.1 58.25,13.7 58.25,13.95 v1(58.4,14.1) ; 57.67,13.18 57.05,13.8 57.05,14.1 v1(57,14.1)
  TOP w0.4: J14.2 v1(63.4,32.9) v1(63.4,31.2)
  TOP w1: SW1.2 v2(27.52,35.53)
  BOTTOM w1: J9.4 19.12,5.28 20.34,6.5 v2(22.95,6.5)
VIO_P: length 0.5
  TOP w0.3: J6.4 J6.2
VMAIN: length 9.6
  TOP w0.15: U1.C1 23.7,19.69 23.93,19.92 23.93,20.29 v1(24.16,20.51)
  TOP w0.2: C2.1 21.56,18.89 22.51,18.89
  TOP w0.25: 22.51,18.89 22.51,18.89 U1.A2
  POWER w1.9: 16.55,3.7 16.58,3.67 J9.3
  BOTTOM w0.3: v1(24.16,20.51) 21.65,18 21.65,17.87 v2(21.61,17.87)
  vias: v2(18.65,16.4) v2(18.7,17.7) v2(20.05,17.82) v2(20.05,16.45) v2(21.4,16.5) v2(23.25,15.95) v2(23.4,14.5) v2(25,14.1)
VSOLAR: length 62.4
  TOP w0.5: J3.1 v1(72.68,14.37)
  TOP w1: J3.1 66,14.37 DS6.1
  TOP w1.2: v2(62.81,8.35) 64.24,8.35 65.44,9.55 C12.1 DS6.2 DS6.1
  POWER w1.2: J9.5 21.66,0.66 21.66,2.77 23.65,4.75 48.65,4.75 50.9,7 61.46,7 v2(62.81,8.35)
  BOTTOM w0.5: v1(72.68,14.37) v2(71.84,14.37)
VUSB: length 53.3
  TOP w0.3: v1(42.8,6.4) 43.2,6 46.5,6 49.3,8.8 J6.13
  TOP w0.4: J11.A4_B9 8.14,16.16 8.4,15.9 v1(8.9,15.9) ; C10.1 16.19,21.29 16.2,21.28 16.2,21.2 16.05,21.05 16.05,21 ; J11.B4_A9 v1(8.62,11.36) 8.75,11.36
  POWER w0.3: v1(24.7,5.8) 31.14,5.8 31.21,5.72 31.69,5.72 31.76,5.8 42.2,5.8 v1(42.8,6.4)
  BOTTOM w0.3: J9.1 11.5,3.4 11.9,3.8 16.5,3.8 17,4.3 17,5.7 19.1,7.8 24,7.8 24.7,7.1 v1(24.7,5.8)
  vias: v1(10.64,18.42) v1(12.03,18.43)
N16816781: length 2.5
  TOP w0.2: U5.6 R22.2 R18.1
N16924472: length 12.2
  TOP w0.2: RR1.16 27.8,6.65 26.8,7.65 26.8,14.32 28.23,15.75 28.25,15.75 28.35,15.85 RR2.1
N16924474: length 10.8
  TOP w0.2: RR1.15 27.87,7.15 27.2,7.82 27.2,14.15 28.4,15.35 RR2.2
N16924476: length 9.4
  TOP w0.2: RR1.14 27.93,7.65 27.6,7.98 27.6,13.95 28.5,14.85 RR2.3
N16924478: length 7.8
  TOP w0.2: RR1.13 28.3,8.15 28,8.45 28,13.75 28.6,14.35 RR2.4
N16924480: length 6.2
  TOP w0.2: RR2.5 29,13.8 28.68,13.8 28.4,13.52 28.4,8.85 28.6,8.65 RR1.12
N16924482: length 5.8
  TOP w0.2: RR2.6 29.55,13.35 29.9,13 29.9,12.89 30,12.79 30,9.35 29.8,9.15 RR1.11 28.95,9.15
N16924484: length 4.2
  TOP w0.2: RR2.7 29.35,12.85 29.4,12.8 29.42,12.8 29.6,12.62 29.6,9.85 29.4,9.65 RR1.10 28.95,9.65
N16924486: length 2.2
  TOP w0.2: RR1.9 RR2.8
N17096523: length 22.8
  TOP w0.2: R16.1 60.4,34.8 60.6,35 v1(60.6,35.25) ; C19.1 v1(61.45,37.7) 61.25,37.5 R12.2 ; v1(65.9,35.05) 65.9,35.15 65.7,35.35 TVS2.6 ; v1(67.3,42.04) J5.7
  BOTTOM w0.2: v1(67.3,42.04) 67,41.74 67,37.7 66,36.7 66,35.15 v1(65.9,35.05) 65.98,34.97 65.98,34.68 65.1,33.8 61.45,33.8 60.6,34.65 v1(60.6,35.25) 60.6,36.85 v1(61.45,37.7)
N17096527: length 24.6
  TOP w0.2: R15.2 60.8,36.1 61.15,36.45 v1(61.45,36.45) 61.5,36.5 C17.1 ; v1(65.2,35.05) 65.2,35.05 TVS2.5 ; v1(70.72,44.58) J5.2
  BOTTOM w0.2: v1(70.72,44.58) 71.3,44.01 71.3,42.15 71,41.85 69.3,41.85 68.55,42.6 66.95,42.6 66.3,41.95 66.3,37.95 65.2,36.85 65.2,35.05 v1(65.2,35.05) 65.2,34.75 65,34.55 63.1,34.55 61.5,36.15 61.5,36.4 v1(61.45,36.45)
